# Altium PCB Acquisition-System_V1.0.PcbDoc (part 1 of 5) (continued)
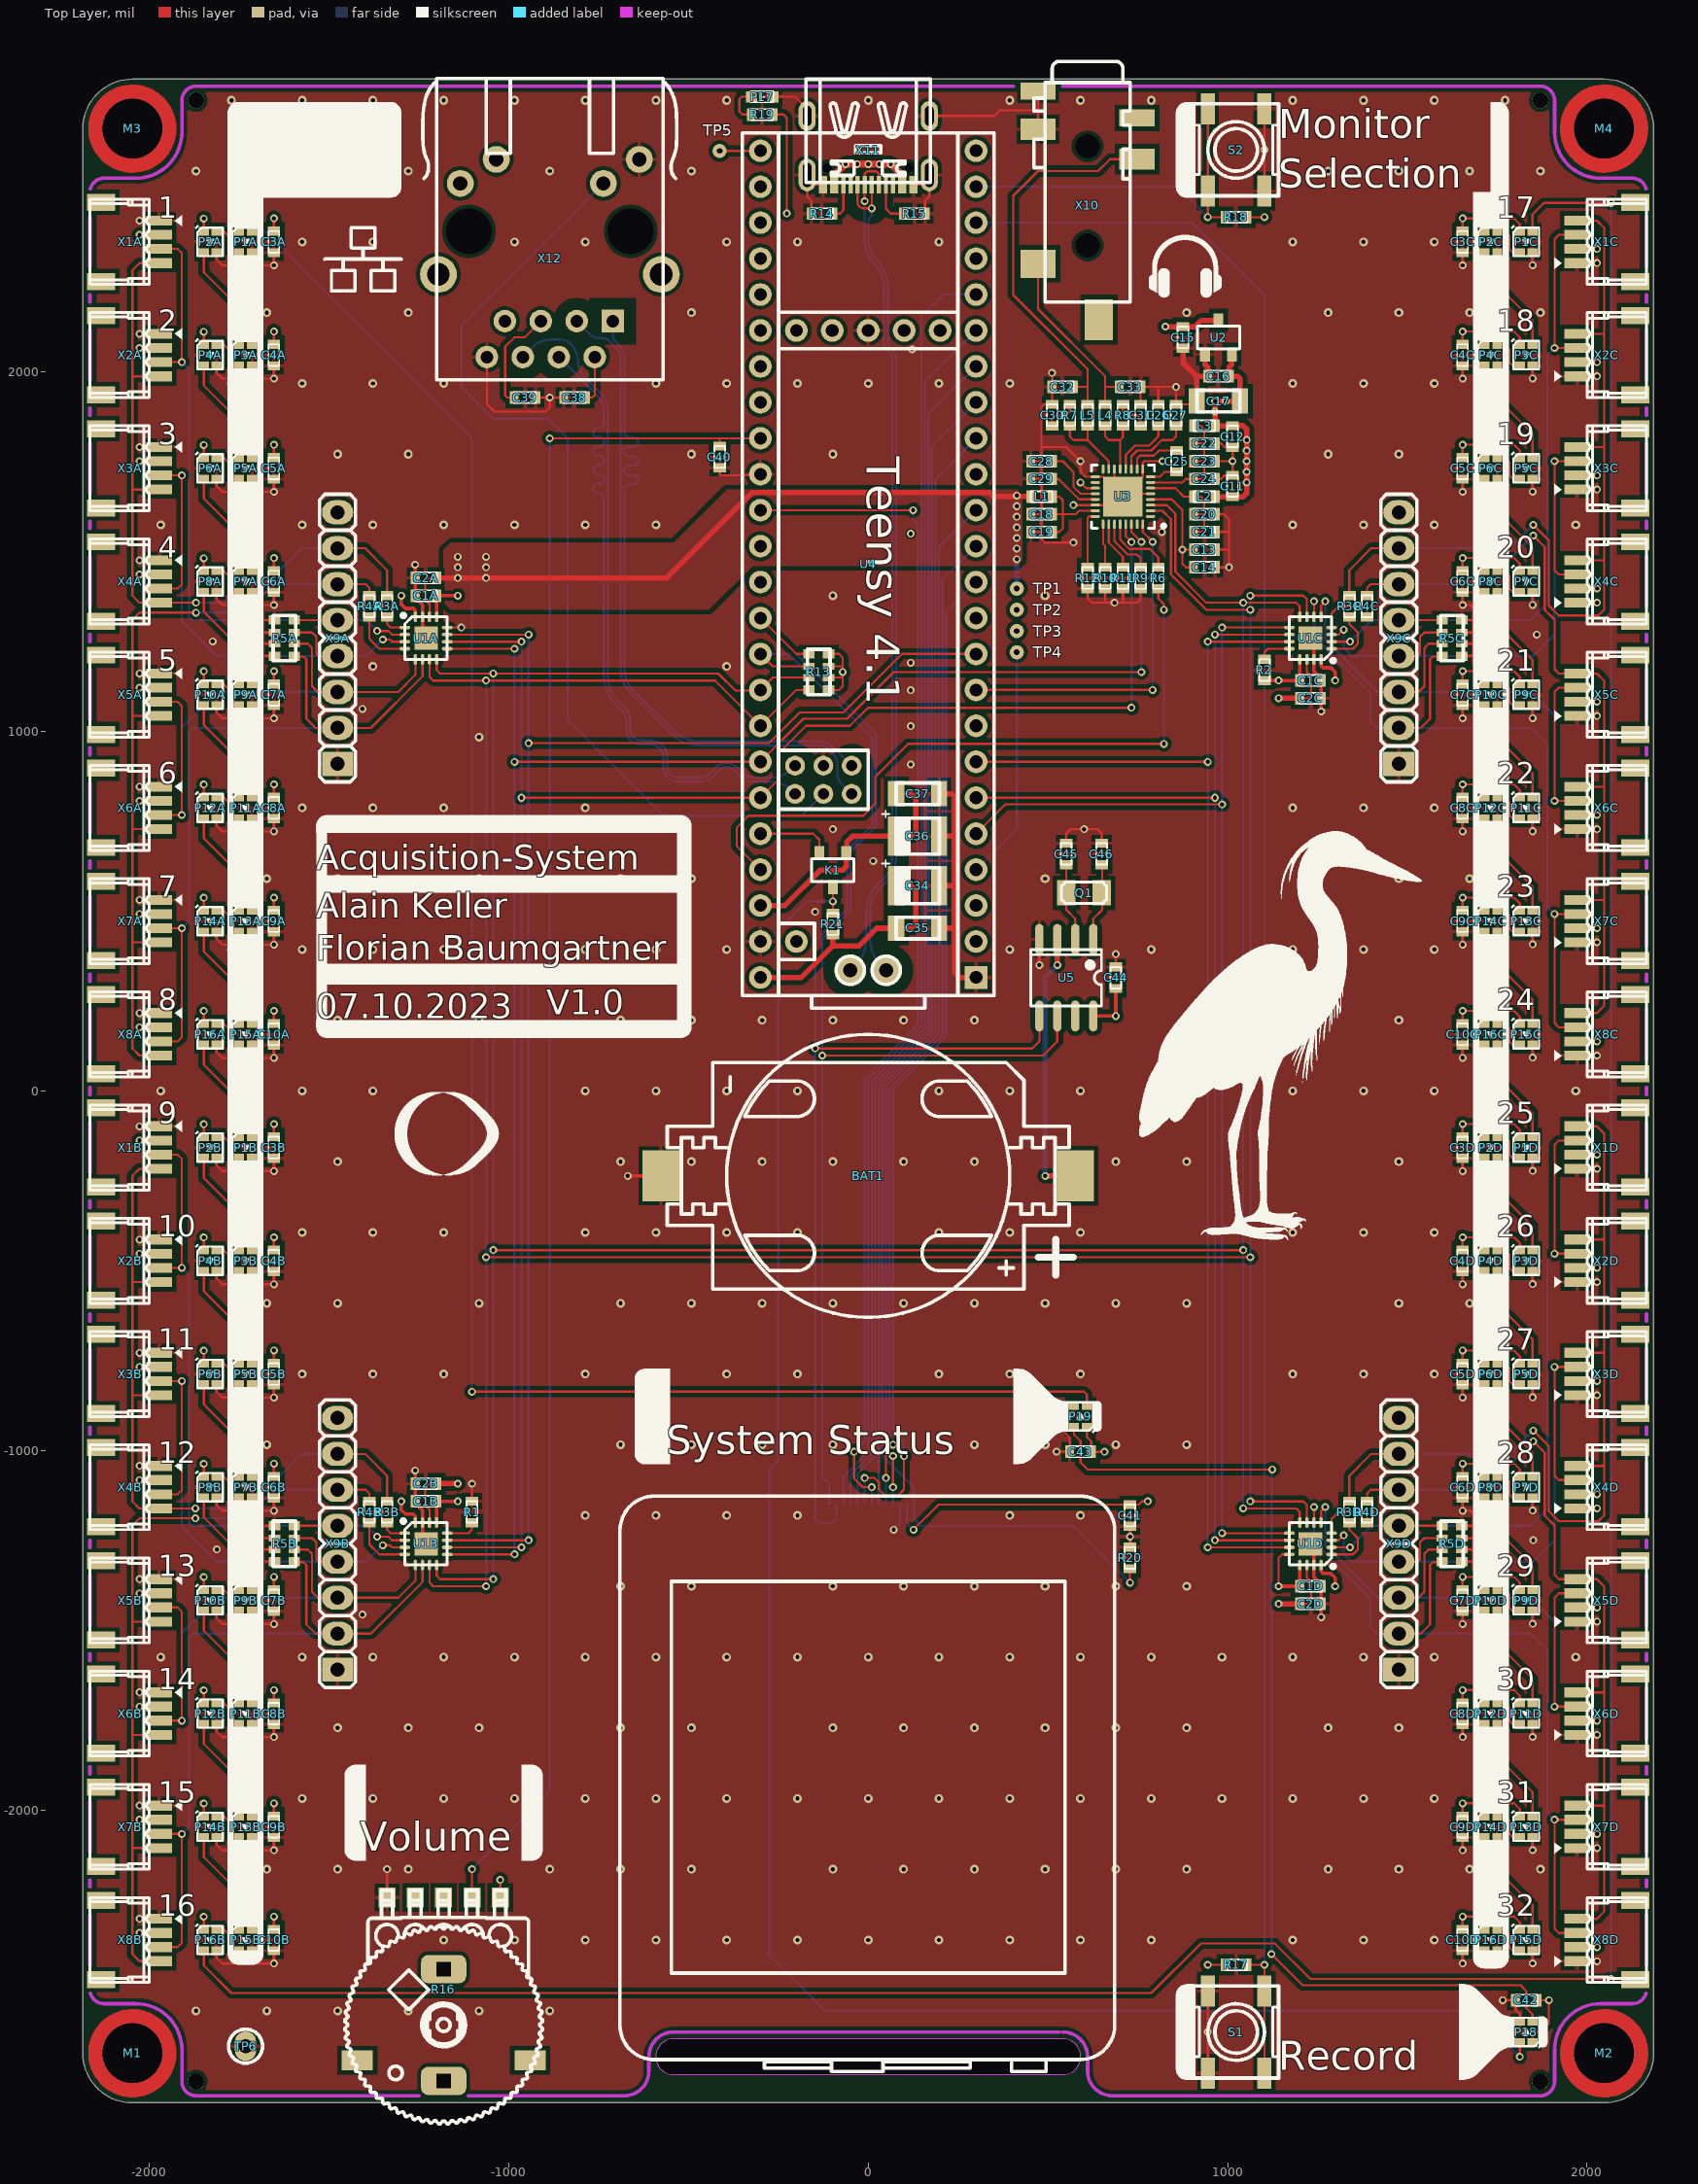
[diagram p0: Top Layer view]
## Design rules (kind name [scope] priority, off if disabled: settings)
Clearance "Stitching GND" [IsStitchingVia and InNet('GND') vs (IsVia and (Not IsStitchingVia)) Or IsPad] p1: gap=5 ignorepadtopadclearanceinfootprint=FALSE
Clearance Clearance_Poly_GND_DiffPair [InPolygon and (InNet('GND') OR InNet('3V3') OR InNet('5V') OR InNet('1V8')) vs InAnyDifferentialPair] p2: gap=33 ignorepadtopadclearanceinfootprint=FALSE
Clearance Clearance_Poly_GND_Top [InPolygon and InNet('GND') vs OnLayer('Top Layer')] p3: gap=12 ignorepadtopadclearanceinfootprint=FALSE
Clearance Clearance_Poly_GND_Bottom [InPolygon and InNet('GND') vs OnLayer('Bottom Layer')] p4: gap=12 ignorepadtopadclearanceinfootprint=FALSE
Clearance Clearance_Poly [InPolygon vs Not InNet('GND')] p5: gap=10 ignorepadtopadclearanceinfootprint=FALSE
Clearance Clearance_Via [isvia AND (AsMM(HoleDiameter) = 0.2) vs isvia AND (AsMM(HoleDiameter) = 0.2)] p6: gap=9.8 ignorepadtopadclearanceinfootprint=FALSE
Clearance [All] p7: gap=3.5 ignorepadtopadclearanceinfootprint=FALSE except(5: SMDPad-SMDPad)
ComponentClearance Component_Display [(Identifier = 'Spacer') OR (Identifier = 'Baseplate')] p1: gap=0 collisioncheckmode=3 verticalgap=0 showdistances=FALSE
ComponentClearance Component_Connectors [(Footprint = 'SMD Connector (SM04B-SRSS-TB)')] p2: gap=0 collisioncheckmode=3 verticalgap=0 showdistances=FALSE
ComponentClearance [All] p3: gap=0 collisioncheckmode=3 verticalgap=1.57 showdistances=TRUE
DiffPairsRouting [All] p1: maxlimit=100 minlimit=3.5 mostfreqgap=5 toplayer_minwidth=5 toplayer_maxwidth=15 toplayer_prefwidth=5 midlayer1_minwidth=5 midlayer1_maxwidth=15 midlayer1_prefwidth=5 midlayer2_minwidth=5 midlayer2_maxwidth=15 midlayer2_prefwidth=5 bottomlayer_minwidth=5 bottomlayer_maxwidth=15 bottomlayer_prefwidth=5 maxuncoupledlength=500
Height [All] p1: minheight=0 maxheight=5905.51 prefheight=78.74
HoleSize [All] p1: absolutevalues=TRUE maxlimit=800 minlimit=7.87 maxpercent=80.000 minpercent=20.000
HoleToHoleClearance [InDrillLayerPair('Top Layer - Bottom Layer')] p1: gap=19.68 allowstackedmicrovias=FALSE
MinimumAnnularRing [All] p1: minimumring=3.5
MinimumSolderMaskSliver [All] p1: minsoldermaskwidth=0
PlaneConnect [All] p1: pad.planeconnectstyle=Relief pad.reliefexpansion=20 pad.reliefentries=4 pad.reliefconductorwidth=10 pad.reliefairgap=10 via.planeconnectstyle=Direct via.reliefexpansion=20 via.reliefentries=4 via.reliefconductorwidth=10 via.reliefairgap=10
PolygonConnect [All] p1: thpad.connectstyle=Relief thpad.reliefconductorwidth=10 thpad.reliefentries=4 thpad.polygonreliefangle="90 Angle" thpad.airgapwidth=10 smdpad.connectstyle=Relief smdpad.reliefconductorwidth=10 smdpad.reliefentries=4 smdpad.polygonreliefangle="90 Angle" smdpad.airgapwidth=10 via.connectstyle=Direct via.reliefconductorwidth=10 via.reliefentries=4 via.polygonreliefangle="90 Angle" via.airgapwidth=10
RoomDefinition "PDM-Microphone Input2" [InComponentClass('PDM-Microphone Input2')] p1: confinementstyle=ConfineIn formatcopy=TRUE lockcomponents=FALSE outline -2204.72,-2519.68 -1141.73,-2519.68 -1141.73,0 -2204.72,0
RoomDefinition "PDM-Microphone Input1" [InComponentClass('PDM-Microphone Input1')] p2: confinementstyle=ConfineIn formatcopy=TRUE lockcomponents=FALSE outline -2204.72,0 -1141.73,0 -1141.73,2519.69 -2204.72,2519.69
RoomDefinition "PDM-Microphone Input4" [InComponentClass('PDM-Microphone Input4')] p3: confinementstyle=ConfineIn formatcopy=TRUE lockcomponents=FALSE outline 2204.72,0 1141.73,0 1141.73,-2519.68 2204.72,-2519.68
RoomDefinition "PDM-Microphone Input3" [InComponentClass('PDM-Microphone Input3')] p4: confinementstyle=ConfineIn formatcopy=TRUE lockcomponents=FALSE outline 2204.72,2519.69 1141.73,2519.69 1141.73,0 2204.72,0
RoutingVias [All] p1: holewidth=11.81 width=24.41 viastyle="Through Hole" minholewidth=7.87 minwidth=17.32 maxholewidth=31.5 maxwidth=43.31
SilkToSilkClearance [All] p1: silktosilkclearance=0
SilkToSolderMaskClearance [IsPad] p1: minsilkscreentomaskgap=0 clearancetoexposedcopper=TRUE
SolderMaskExpansion [All] p1: expansion=4 istentingtop=FALSE
Width [Not InNet('No Net')] p1: maxlimit=157.48 minlimit=3.5 preferedwidth=10
Width Logos [All] p2: maxlimit=10 minlimit=0.1 preferedwidth=0.1
21 further rules are at their usual default settings.

## Classes and differential pairs
channel class Acquisition-System_V1.0_Input: "PDM-Microphone Input1" "PDM-Microphone Input2" "PDM-Microphone Input3" "PDM-Microphone Input4"
component class "PDM-Microphone Input4": C1D C2D C3D C4D C5D C6D C7D C8D C9D C10D P1D P2D P3D P4D P5D P6D P7D P8D P9D P10D P11D P12D P13D P14D P15D P16D R3D R4D R5D U1D X1D X2D X3D X4D X5D X6D X7D X8D X9D
component class "PDM-Microphone Input3": C1C C2C C3C C4C C5C C6C C7C C8C C9C C10C P1C P2C P3C P4C P5C P6C P7C P8C P9C P10C P11C P12C P13C P14C P15C P16C R3C R4C R5C U1C X1C X2C X3C X4C X5C X6C X7C X8C X9C
component class "PDM-Microphone Input2": C1B C2B C3B C4B C5B C6B C7B C8B C9B C10B P1B P2B P3B P4B P5B P6B P7B P8B P9B P10B P11B P12B P13B P14B P15B P16B R3B R4B R5B U1B X1B X2B X3B X4B X5B X6B X7B X8B X9B
component class "PDM-Microphone Input1": C1A C2A C3A C4A C5A C6A C7A C8A C9A C10A P1A P2A P3A P4A P5A P6A P7A P8A P9A P10A P11A P12A P13A P14A P15A P16A R3A R4A R5A U1A X1A X2A X3A X4A X5A X6A X7A X8A X9A
differential pair ETH_TX: +ETH_TX_P -ETH_TX_N
differential pair ETH_RX: +ETH_RX_P -ETH_RX_N
differential pair USB_D: +USB_D_P -USB_D_N

## Components (designator, comment, footprint, x,y, rotation, side; value= is the part's Value field where it differs from the comment)
BAT1 "1060TR" "SMD Battery-Holder (1060TR)" 0,-236.22 r0 top locked
C1A "100nF" "SMD Keramikkondensator 0603" -1230.31,1377.95 r0 top (schematic designator C1)
C1B "100nF" "SMD Keramikkondensator 0603" -1230.31,-1141.73 r0 top (schematic designator C1)
C1C "100nF" "SMD Keramikkondensator 0603" 1230.32,1141.73 r180 top (schematic designator C1)
C1D "100nF" "SMD Keramikkondensator 0603" 1230.32,-1377.95 r180 top (schematic designator C1)
C2A "100nF" "SMD Keramikkondensator 0603" -1230.31,1427.17 r0 top (schematic designator C2)
C2B "100nF" "SMD Keramikkondensator 0603" -1230.31,-1092.52 r0 top (schematic designator C2)
C2C "100nF" "SMD Keramikkondensator 0603" 1230.32,1092.52 r180 top (schematic designator C2)
C2D "100nF" "SMD Keramikkondensator 0603" 1230.32,-1427.17 r180 top (schematic designator C2)
C3A "100nF" "SMD Keramikkondensator 0603" -1653.54,2362.2 r90 top (schematic designator C3)
C3B "100nF" "SMD Keramikkondensator 0603" -1653.54,-157.48 r90 top (schematic designator C3)
C3C "100nF" "SMD Keramikkondensator 0603" 1653.54,2362.2 r90 top (schematic designator C3)
C3D "100nF" "SMD Keramikkondensator 0603" 1653.54,-157.48 r90 top (schematic designator C3)
C4A "100nF" "SMD Keramikkondensator 0603" -1653.54,2047.24 r90 top (schematic designator C4)
C4B "100nF" "SMD Keramikkondensator 0603" -1653.54,-472.44 r90 top (schematic designator C4)
C4C "100nF" "SMD Keramikkondensator 0603" 1653.54,2047.24 r90 top (schematic designator C4)
C4D "100nF" "SMD Keramikkondensator 0603" 1653.54,-472.44 r90 top (schematic designator C4)
C5A "100nF" "SMD Keramikkondensator 0603" -1653.54,1732.28 r90 top (schematic designator C5)
C5B "100nF" "SMD Keramikkondensator 0603" -1653.54,-787.4 r90 top (schematic designator C5)
C5C "100nF" "SMD Keramikkondensator 0603" 1653.54,1732.28 r90 top (schematic designator C5)
C5D "100nF" "SMD Keramikkondensator 0603" 1653.54,-787.4 r90 top (schematic designator C5)
C6A "100nF" "SMD Keramikkondensator 0603" -1653.54,1417.32 r90 top (schematic designator C6)
C6B "100nF" "SMD Keramikkondensator 0603" -1653.54,-1102.36 r90 top (schematic designator C6)
C6C "100nF" "SMD Keramikkondensator 0603" 1653.54,1417.32 r90 top (schematic designator C6)
C6D "100nF" "SMD Keramikkondensator 0603" 1653.54,-1102.36 r90 top (schematic designator C6)
C7A "100nF" "SMD Keramikkondensator 0603" -1653.54,1102.36 r90 top (schematic designator C7)
C7B "100nF" "SMD Keramikkondensator 0603" -1653.54,-1417.32 r90 top (schematic designator C7)
C7C "100nF" "SMD Keramikkondensator 0603" 1653.54,1102.36 r90 top (schematic designator C7)
C7D "100nF" "SMD Keramikkondensator 0603" 1653.54,-1417.32 r90 top (schematic designator C7)
C8A "100nF" "SMD Keramikkondensator 0603" -1653.54,787.4 r90 top (schematic designator C8)
C8B "100nF" "SMD Keramikkondensator 0603" -1653.54,-1732.28 r90 top (schematic designator C8)
C8C "100nF" "SMD Keramikkondensator 0603" 1653.54,787.4 r90 top (schematic designator C8)
C8D "100nF" "SMD Keramikkondensator 0603" 1653.54,-1732.28 r90 top (schematic designator C8)
C9A "100nF" "SMD Keramikkondensator 0603" -1653.54,472.44 r90 top (schematic designator C9)
C9B "100nF" "SMD Keramikkondensator 0603" -1653.54,-2047.24 r90 top (schematic designator C9)
C9C "100nF" "SMD Keramikkondensator 0603" 1653.54,472.44 r90 top (schematic designator C9)
C9D "100nF" "SMD Keramikkondensator 0603" 1653.54,-2047.24 r90 top (schematic designator C9)
C10A "100nF" "SMD Keramikkondensator 0603" -1653.54,157.48 r90 top (schematic designator C10)
C10B "100nF" "SMD Keramikkondensator 0603" -1653.54,-2362.2 r90 top (schematic designator C10)
C10C "100nF" "SMD Keramikkondensator 0603" 1653.54,157.48 r90 top (schematic designator C10)
C10D "100nF" "SMD Keramikkondensator 0603" 1653.54,-2362.2 r90 top (schematic designator C10)
C11 "4.7µF" "SMD Keramikkondensator 0603" 1013.78,1683.07 r270 top
C12 "4.7µF" "SMD Keramikkondensator 0603" 1013.78,1820.87 r90 top
C13 "100nF" "SMD Keramikkondensator 0603" 935.04,1505.91 r180 top
C14 "4.7µF" "SMD Keramikkondensator 0603" 935.04,1456.69 r180 top
C15 "100nF" "SMD Keramikkondensator 0603" 875.98,2096.46 r90 top
C16 "100nF" "SMD Keramikkondensator 0603" 974.41,1988.19 r0 top
C17 "10µF" "SMD Keramikkondensator 1206" 974.41,1919.29 r0 top
C18 "2.2µF" "SMD Keramikkondensator 0603" 482.28,1604.33 r0 top
C19 "100nF" "SMD Keramikkondensator 0603" 482.28,1555.12 r0 top
C20 "4.7µF" "SMD Keramikkondensator 0603" 935.04,1604.33 r180 top
C21 "100nF" "SMD Keramikkondensator 0603" 935.04,1555.12 r180 top
C22 "4.7µF" "SMD Keramikkondensator 0603" 935.04,1801.18 r180 top
C23 "100nF" "SMD Keramikkondensator 0603" 935.04,1751.97 r180 top
C24 "1nF" "SMD Keramikkondensator 0603" 935.04,1702.76 r180 top
C25 "2.2µF" "SMD Keramikkondensator 0603" 858.27,1751.97 r270 top
C26 "4.7µF" "SMD Keramikkondensator 0603" 807.09,1879.92 r270 top
C27 "4.7µF" "SMD Keramikkondensator 0603" 856.3,1879.92 r270 top
C28 "4.7µF" "SMD Keramikkondensator 0603" 482.28,1751.97 r0 top
C29 "4.7µF" "SMD Keramikkondensator 0603" 482.28,1702.76 r0 top
C30 "100nF" "SMD Keramikkondensator 0603" 511.81,1879.92 r270 top
C31 "100nF" "SMD Keramikkondensator 0603" 757.87,1879.92 r270 top
C32 "470pF" "SMD Keramikkondensator 0603" 541.34,1958.66 r180 top
C33 "470pF" "SMD Keramikkondensator 0603" 728.35,1958.66 r0 top
C34 "100µF" "SMD Tantalkondensator 1210 +" 137.8,570.87 r0 top
C35 "10µF" "SMD Keramikkondensator 1206" 137.8,452.76 r180 top
C36 "100µF" "SMD Tantalkondensator 1210 +" 137.8,708.66 r0 top
C37 "10µF" "SMD Keramikkondensator 1206" 137.8,826.77 r180 top
C38 "100nF" "SMD Keramikkondensator 0603" -816.93,1929.13 r0 top
C39 "100nF" "SMD Keramikkondensator 0603" -954.72,1929.13 r180 top
C40 "10nF" "SMD Keramikkondensator 0603" -413.39,1763.78 r90 top
C41 "1µF" "SMD Keramikkondensator 0603" 728.35,-1181.1 r90 top
C42 "1µF" "SMD Keramikkondensator 0603" 1830.71,-2529.53 r0 top
C43 "1µF" "SMD Keramikkondensator 0603" 590.55,-1003.94 r0 top
C44 "100nF" "SMD Keramikkondensator 0603" 688.98,314.96 r270 top
C45 "10pF" "SMD Keramikkondensator 0603" 551.18,659.45 r90 top
C46 "10pF" "SMD Keramikkondensator 0603" 649.61,659.45 r90 top
K1 "2N7002" "SMD MOSFET SOT-23" -98.43,614.17 r270 top
L1 "5" "SMD Ferrite Bead 0603" 482.28,1653.54 r0 top
L2 "5" "SMD Ferrite Bead 0603" 935.04,1653.54 r180 top
L3 "5" "SMD Ferrite Bead 0603" 935.04,1850.39 r180 top
L4 "5" "SMD Ferrite Bead 0603" 659.45,1879.92 r270 top
L5 "5" "SMD Ferrite Bead 0603" 610.24,1879.92 r270 top
M1 "SMTSO-M3-3ET" "SMD Solder-Nut (M3 3mm)" -2047.24,-2677.17 r0 top
M2 "SMTSO-M3-3ET" "SMD Solder-Nut (M3 3mm)" 2047.24,-2677.17 r0 top
M3 "SMTSO-M3-3ET" "SMD Solder-Nut (M3 3mm)" -2047.24,2677.17 r0 top
M4 "SMTSO-M3-3ET" "SMD Solder-Nut (M3 3mm)" 2047.24,2677.17 r0 top
P1A "WS2812" "SMD LED WS2812B-0807" -1732.28,2362.2 r90 top (schematic designator P1)
P1B "WS2812" "SMD LED WS2812B-0807" -1732.28,-157.48 r90 top (schematic designator P1)
P1C "WS2812" "SMD LED WS2812B-0807" 1830.71,2362.2 r90 top (schematic designator P1)
P1D "WS2812" "SMD LED WS2812B-0807" 1830.71,-157.48 r90 top (schematic designator P1)
P2A "WS2812" "SMD LED WS2812B-0807" -1830.71,2362.2 r90 top (schematic designator P2)
P2B "WS2812" "SMD LED WS2812B-0807" -1830.71,-157.48 r90 top (schematic designator P2)
P2C "WS2812" "SMD LED WS2812B-0807" 1732.28,2362.2 r90 top (schematic designator P2)
P2D "WS2812" "SMD LED WS2812B-0807" 1732.28,-157.48 r90 top (schematic designator P2)
P3A "WS2812" "SMD LED WS2812B-0807" -1732.28,2047.24 r90 top (schematic designator P3)
P3B "WS2812" "SMD LED WS2812B-0807" -1732.28,-472.44 r90 top (schematic designator P3)
P3C "WS2812" "SMD LED WS2812B-0807" 1830.71,2047.24 r90 top (schematic designator P3)
P3D "WS2812" "SMD LED WS2812B-0807" 1830.71,-472.44 r90 top (schematic designator P3)
P4A "WS2812" "SMD LED WS2812B-0807" -1830.71,2047.24 r90 top (schematic designator P4)
P4B "WS2812" "SMD LED WS2812B-0807" -1830.71,-472.44 r90 top (schematic designator P4)
P4C "WS2812" "SMD LED WS2812B-0807" 1732.28,2047.24 r90 top (schematic designator P4)
P4D "WS2812" "SMD LED WS2812B-0807" 1732.28,-472.44 r90 top (schematic designator P4)
P5A "WS2812" "SMD LED WS2812B-0807" -1732.28,1732.28 r90 top (schematic designator P5)
P5B "WS2812" "SMD LED WS2812B-0807" -1732.28,-787.4 r90 top (schematic designator P5)
P5C "WS2812" "SMD LED WS2812B-0807" 1830.71,1732.28 r90 top (schematic designator P5)
P5D "WS2812" "SMD LED WS2812B-0807" 1830.71,-787.4 r90 top (schematic designator P5)
P6A "WS2812" "SMD LED WS2812B-0807" -1830.71,1732.28 r90 top (schematic designator P6)
P6B "WS2812" "SMD LED WS2812B-0807" -1830.71,-787.4 r90 top (schematic designator P6)
P6C "WS2812" "SMD LED WS2812B-0807" 1732.28,1732.28 r90 top (schematic designator P6)
P6D "WS2812" "SMD LED WS2812B-0807" 1732.28,-787.4 r90 top (schematic designator P6)
P7A "WS2812" "SMD LED WS2812B-0807" -1732.28,1417.32 r90 top (schematic designator P7)
P7B "WS2812" "SMD LED WS2812B-0807" -1732.28,-1102.36 r90 top (schematic designator P7)
P7C "WS2812" "SMD LED WS2812B-0807" 1830.71,1417.32 r90 top (schematic designator P7)
P7D "WS2812" "SMD LED WS2812B-0807" 1830.71,-1102.36 r90 top (schematic designator P7)
P8A "WS2812" "SMD LED WS2812B-0807" -1830.71,1417.32 r90 top (schematic designator P8)
P8B "WS2812" "SMD LED WS2812B-0807" -1830.71,-1102.36 r90 top (schematic designator P8)
P8C "WS2812" "SMD LED WS2812B-0807" 1732.28,1417.32 r90 top (schematic designator P8)
P8D "WS2812" "SMD LED WS2812B-0807" 1732.28,-1102.36 r90 top (schematic designator P8)
P9A "WS2812" "SMD LED WS2812B-0807" -1732.28,1102.36 r90 top (schematic designator P9)
P9B "WS2812" "SMD LED WS2812B-0807" -1732.28,-1417.32 r90 top (schematic designator P9)
P9C "WS2812" "SMD LED WS2812B-0807" 1830.71,1102.36 r90 top (schematic designator P9)
P9D "WS2812" "SMD LED WS2812B-0807" 1830.71,-1417.32 r90 top (schematic designator P9)
P10A "WS2812" "SMD LED WS2812B-0807" -1830.71,1102.36 r90 top (schematic designator P10)
P10B "WS2812" "SMD LED WS2812B-0807" -1830.71,-1417.32 r90 top (schematic designator P10)
P10C "WS2812" "SMD LED WS2812B-0807" 1732.28,1102.36 r90 top (schematic designator P10)
P10D "WS2812" "SMD LED WS2812B-0807" 1732.28,-1417.32 r90 top (schematic designator P10)
P11A "WS2812" "SMD LED WS2812B-0807" -1732.28,787.4 r90 top (schematic designator P11)
P11B "WS2812" "SMD LED WS2812B-0807" -1732.28,-1732.28 r90 top (schematic designator P11)
P11C "WS2812" "SMD LED WS2812B-0807" 1830.71,787.4 r90 top (schematic designator P11)
P11D "WS2812" "SMD LED WS2812B-0807" 1830.71,-1732.28 r90 top (schematic designator P11)
P12A "WS2812" "SMD LED WS2812B-0807" -1830.71,787.4 r90 top (schematic designator P12)
P12B "WS2812" "SMD LED WS2812B-0807" -1830.71,-1732.28 r90 top (schematic designator P12)
P12C "WS2812" "SMD LED WS2812B-0807" 1732.28,787.4 r90 top (schematic designator P12)
P12D "WS2812" "SMD LED WS2812B-0807" 1732.28,-1732.28 r90 top (schematic designator P12)
P13A "WS2812" "SMD LED WS2812B-0807" -1732.28,472.44 r90 top (schematic designator P13)
P13B "WS2812" "SMD LED WS2812B-0807" -1732.28,-2047.24 r90 top (schematic designator P13)
P13C "WS2812" "SMD LED WS2812B-0807" 1830.71,472.44 r90 top (schematic designator P13)
P13D "WS2812" "SMD LED WS2812B-0807" 1830.71,-2047.24 r90 top (schematic designator P13)
P14A "WS2812" "SMD LED WS2812B-0807" -1830.71,472.44 r90 top (schematic designator P14)
P14B "WS2812" "SMD LED WS2812B-0807" -1830.71,-2047.24 r90 top (schematic designator P14)
P14C "WS2812" "SMD LED WS2812B-0807" 1732.28,472.44 r90 top (schematic designator P14)
P14D "WS2812" "SMD LED WS2812B-0807" 1732.28,-2047.24 r90 top (schematic designator P14)
P15A "WS2812" "SMD LED WS2812B-0807" -1732.28,157.48 r90 top (schematic designator P15)
P15B "WS2812" "SMD LED WS2812B-0807" -1732.28,-2362.2 r90 top (schematic designator P15)
P15C "WS2812" "SMD LED WS2812B-0807" 1830.71,157.48 r90 top (schematic designator P15)
P15D "WS2812" "SMD LED WS2812B-0807" 1830.71,-2362.2 r90 top (schematic designator P15)
P16A "WS2812" "SMD LED WS2812B-0807" -1830.71,157.48 r90 top (schematic designator P16)
P16B "WS2812" "SMD LED WS2812B-0807" -1830.71,-2362.2 r90 top (schematic designator P16)
P16C "WS2812" "SMD LED WS2812B-0807" 1732.28,157.48 r90 top (schematic designator P16)
P16D "WS2812" "SMD LED WS2812B-0807" 1732.28,-2362.2 r90 top (schematic designator P16)
P17 "Green" "SMD LED 0603" -295.28,2765.75 r0 top
P18 "WS2812" "SMD LED WS2812B-0807" 1830.71,-2618.11 r270 top
P19 "WS2812" "SMD LED WS2812B-0807" 590.55,-905.51 r270 top
Q1 "32.768k" "SMD Crystal 3.2x1.5x0.9" 600.39,551.18 r0 top
R1 "47k" "SMD Keramikkondensator 0603" -1102.36,-1171.26 r270 top
R2 "47k" "SMD Keramikkondensator 0603" 1102.36,1171.26 r270 top
R3A "10" "SMD Widerstand 0603" -1338.58,1348.43 r90 top (schematic designator R3)
R3B "10" "SMD Widerstand 0603" -1338.58,-1171.26 r90 top (schematic designator R3)
R3C "10" "SMD Widerstand 0603" 1338.58,1348.43 r90 top (schematic designator R3)
R3D "10" "SMD Widerstand 0603" 1338.58,-1171.26 r90 top (schematic designator R3)
R4A "10" "SMD Widerstand 0603" -1387.8,1348.43 r90 top (schematic designator R4)
R4B "10" "SMD Widerstand 0603" -1387.8,-1171.26 r90 top (schematic designator R4)
R4C "10" "SMD Widerstand 0603" 1387.8,1348.43 r90 top (schematic designator R4)
R4D "10" "SMD Widerstand 0603" 1387.8,-1171.26 r90 top (schematic designator R4)
R5A "10k" "SMD Widerstand Array 4-Fach 0603"#1 -1624.02,1259.84 r90 top (schematic designator R5)
R5B "10k" "SMD Widerstand Array 4-Fach 0603"#1 -1624.02,-1259.84 r90 top (schematic designator R5)
R5C "10k" "SMD Widerstand Array 4-Fach 0603"#2 1624.02,1259.84 r90 top (schematic designator R5)
R5D "10k" "SMD Widerstand Array 4-Fach 0603"#2 1624.02,-1259.84 r90 top (schematic designator R5)
R6 "22" "SMD Widerstand 0603" 807.09,1427.17 r90 top